# KiCad board HW.ACIM-DBG.kicad_pcb (continued)
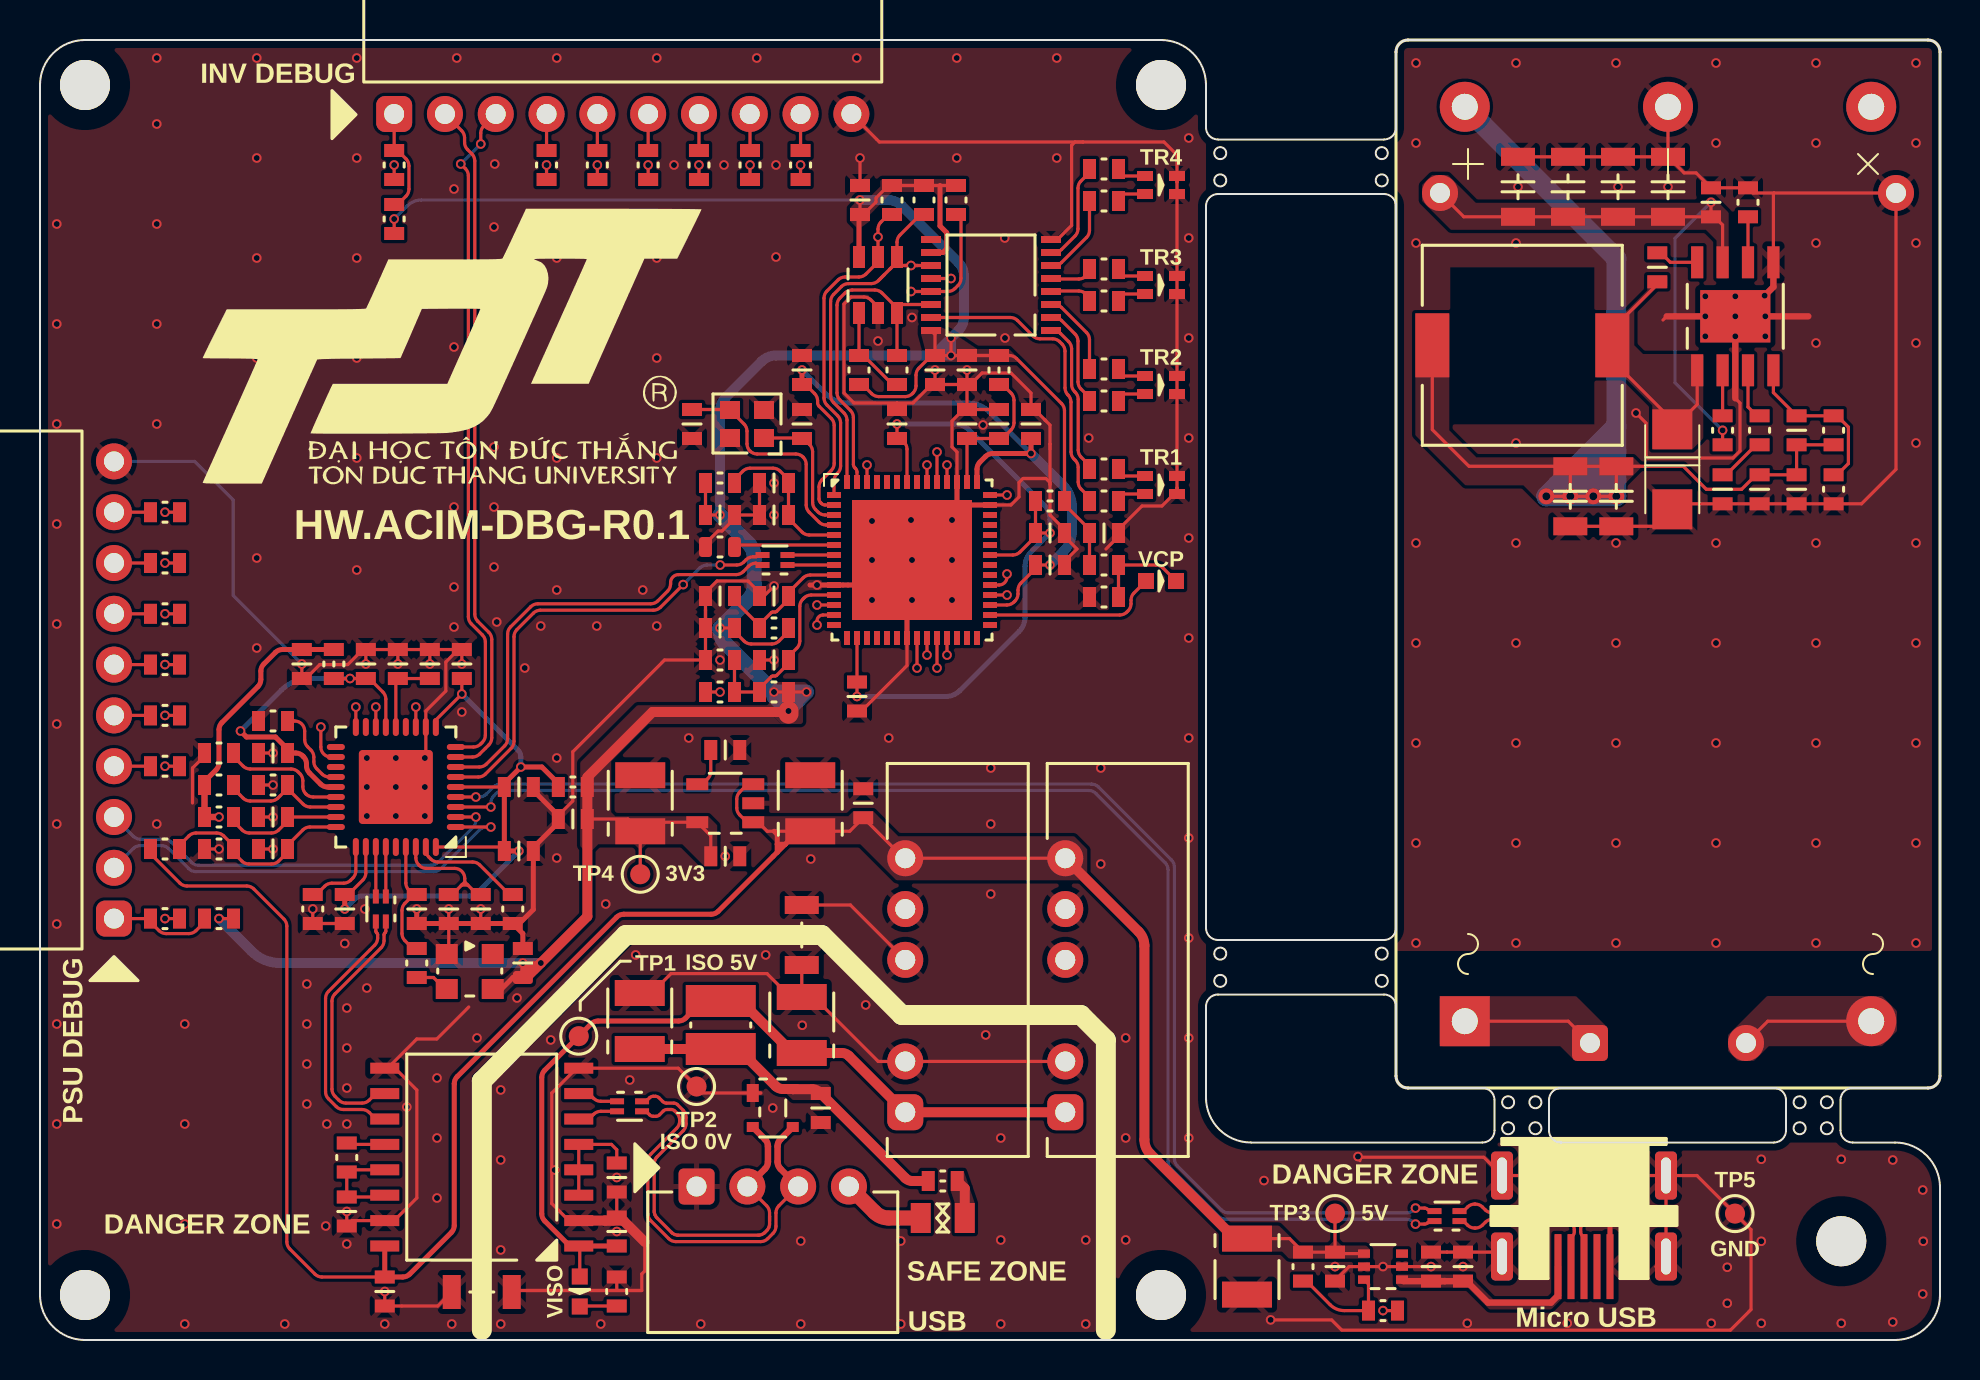
[diagram p0: board, top side]
## Routing (per net, layer and track width the routed paths; a pad name or vN(x,y) marks a point on that pad's centre or on a via; arc(x,y) is an arc through that point) (continued)
Net-(U1-NC/BP): length 2.1
  Top w0.16: C53.2 33.54,28.42 arc(33.5,28.23) 33.39,28.07 33.26,27.93 arc(33.1,27.83) 32.91,27.79 U1.4
Net-(U2-CRFILT): length 4.1
  Top w0.16: U2.14 17.79,32.97 C23.2 C22.2
Net-(U2-HS_IND/CFG_SEL1): length 6.3
  Top w0.16: 12.38,27.57 11.9,27.1 arc(11.73,26.99) 11.54,26.95 10.51,26.95 arc(10.32,26.99) 10.15,27.1 9.68,27.57 R11.1 ; 12.38,27.57 13.15,26.8 arc(13.32,26.69) 13.51,26.65 U2.25 ; 12.38,27.57 R14.2
Net-(U2-PLLFILT): length 6.4
  Top w0.16: 21.39,22.75 21.24,22.9 ; 21.39,22.75 21.86,22.28 C21.2 ; 21.39,22.75 21.09,22.75 21.06,22.72 ; 21.24,22.9 21.24,23.08 arc(21.09,23.43) 20.74,23.58 19.32,23.58 arc(19.13,23.62) 18.97,23.73 18.94,23.75 arc(18.83,23.92) 18.79,24.11 U2.34 ; 21.24,22.9 21.06,22.72 ; 21.06,22.72 20.61,22.28 C20.2 20.26,22.28
Net-(U2-PRTPWR1/BC_EN1): length 23.4
  Top w0.16: R2.1 v1(6.25,21.07) ; U2.12 v1(18.79,31.65)
  In2.Cu w0.16: v1(6.25,21.07) 6.6,21.42 arc(6.71,21.59) 6.75,21.78 6.75,28.53 arc(6.79,28.72) 6.9,28.88 9.04,31.02 arc(9.2,31.13) 9.39,31.17 15.9,31.17 arc(16.18,31.29) 16.3,31.57 16.3,31.75 arc(16.42,32.03) 16.7,32.15 18.08,32.15 arc(18.28,32.11) 18.44,32 v1(18.79,31.65)
Net-(U2-PRTPWR2/BC_EN2): length 79.5
  Top w0.16: U2.16 v1(16.79,31.65) ; R43.1 v1(67.15,1.47)
  In1.Cu w0.16: v1(67.15,1.47) 62.36,1.47 arc(62.17,1.51) 62,1.62 55.5,8.12 arc(55.39,8.29) 55.35,8.48 55.35,23.46 arc(55.31,23.65) 55.2,23.82 52.6,26.42 arc(52.43,26.53) 52.24,26.57 31.11,26.57 arc(30.92,26.53) 30.75,26.42 27.15,22.82 arc(26.98,22.71) 26.79,22.67 21.11,22.67 arc(20.92,22.71) 20.75,22.82 18.7,24.87 arc(18.59,25.04) 18.55,25.23 18.55,29.68 arc(18.51,29.88) 18.4,30.04 v1(16.79,31.65)
Net-(U2-PRTPWR3/BC_EN3): length 21
  Top w0.16: U2.18 v1(15.79,31.65) ; R44.1 v1(34,32.4)
  In2.Cu w0.16: v1(34,32.4) 33.47,32.93 arc(33.31,33.04) 33.12,33.07 16.94,33.07 arc(16.75,33.04) 16.59,32.93 15.94,32.28 arc(15.83,32.12) 15.79,31.93 v1(15.79,31.65)
Net-(U2-PRTPWR4/BC_EN4): length 34.2
  Top w0.16: v1(17.71,58.75) R45.1 17.53,58.02 ; U2.20 14.54,29.15 arc(14.19,29.3) 14.04,29.65 v1(14.04,30.65)
  In1.Cu w0.16: v1(14.04,30.65) 12.1,32.59 arc(12,32.75) 11.96,32.94 11.96,52.79 arc(12,52.98) 12.1,53.15 v1(17.71,58.75)
Net-(U2-RBIAS): length 5.5
  Top w0.16: U2.35 19.29,24.5 arc(19.33,24.31) 19.44,24.15 19.54,24.05 arc(19.7,23.94) 19.89,23.9 21.63,23.9 arc(21.82,23.86) 21.98,23.75 23.46,22.28 R9.1
Net-(U2-SCL/SMBCLK/CFG_SEL0): length 6.4
  Top w0.16: U2.24 13.66,27.15 arc(13.47,27.19) 13.3,27.3 13.29,27.31 arc(13.18,27.47) 13.14,27.66 13.14,27.96 arc(13.1,28.15) 13,28.32 12.91,28.4 arc(12.75,28.51) 12.56,28.55 10.51,28.55 arc(10.32,28.59) 10.15,28.7 9.68,29.17 R13.2
Net-(U2-SDA/SMBDATA/NON_REM1): length 4.3
  Top w0.16: R10.1 12.73,30.95 arc(13.09,30.8) 13.23,30.45 13.23,30.02 arc(13.27,29.82) 13.38,29.66 13.55,29.5 arc(13.65,29.33) 13.69,29.14 13.69,28.91 arc(13.73,28.72) 13.84,28.56 14.1,28.3 arc(14.27,28.19) 14.46,28.15 U2.22
Net-(U2-SUSP_IND/LOCAL_PWR/NON_REM0): length 3.9
  Top w0.16: R12.2 13.82,22.28 14.24,22.69 arc(14.4,22.8) 14.59,22.84 15.18,22.84 arc(15.37,22.88) 15.53,22.99 15.65,23.1 arc(15.75,23.27) 15.79,23.46 U2.28
Net-(U2-USBDM_UP): length 2.5
  Top w0.16: FT2.4 U2.30
Net-(U2-USBDP_UP): length 2.5
  Top w0.16: U2.31 FT2.1
Net-(U2-VBUS_DET): length 10
  Top w0.16: R6.2 6.98,24.74 7.44,25.2 arc(7.6,25.31) 7.79,25.35 8.83,25.35 arc(9.02,25.31) 9.18,25.2 9.68,24.71 R7.1 9.68,24.36 10.09,23.95 arc(10.25,23.84) 10.44,23.8 11.58,23.8 arc(11.77,23.84) 11.93,23.95 12.38,24.39 C14.2 12.38,24.74 13.14,25.5 arc(13.3,25.61) 13.49,25.65 U2.27
Net-(U2-~{RESET}): length 6
  Top w0.16: R5.2 9.68,26.14 arc(9.71,25.95) 9.82,25.79 10.11,25.5 arc(10.27,25.39) 10.46,25.35 11.57,25.35 arc(11.77,25.39) 11.93,25.5 12.38,25.94 C17.2 U2.26
Net-(U3-PDEN): length 5.9
  Top w0.16: 28.65,8.85 C16.2 28.84,9.51 28.57,9.78 U3.5 U3.3 27.39,7.24
Net-(U3-PIN): length 1.9
  Top w0.16: R4.1 15.41,9.78 U3.12
Net-(U3-SPD): length 5.1
  Top w0.16: U3.13 15.45,8.51 R4.2 C13.2 17.15,7.15 U3.14
Net-(U3-UD+): length 2
  Top w0.16: FT3.1 28.04,11.94 arc(27.85,11.97) 27.68,12.08 27.59,12.17 arc(27.43,12.28) 27.24,12.32 U3.7
Net-(U3-UD-): length 2
  Top w0.16: U3.6 27.24,11.05 arc(27.43,11.09) 27.59,11.2 27.68,11.29 arc(27.85,11.4) 28.04,11.44 FT3.4
Net-(U4-CLKO): length 1.9
  Top w0.16: R8.2 19.68,18.12 20.3,17.5 20.44,17.5
Net-(U5-ADBUS0/TXD): length 36.5
  Top w0.16: R17.1 6.23,31.23 ; U5.12 v1(38.85,36.75)
  In2.Cu w0.16: v1(6.25,31.23) 11.62,36.6 arc(11.79,36.71) 11.98,36.75 v1(38.85,36.75)
Net-(U5-ADBUS1/RXD): length 38
  Top w0.16: R18.1 v1(6.25,28.69) ; v1(38.85,35.75) 38.85,35.95 arc(38.94,36.16) 39.15,36.25 U5.13
  In2.Cu w0.16: v1(38.85,35.75) 38.35,36.25 arc(38.18,36.36) 37.99,36.4 14.17,36.4 arc(13.98,36.36) 13.81,36.25 v1(6.25,28.69)
Net-(U5-BDBUS0/TXD): length 45.9
  Top w0.16: R19.1 v1(6.25,36.31) ; U5.22 v1(43.85,33.6)
  In2.Cu w0.16: v1(6.25,36.31) 9.69,39.75 arc(9.86,39.86) 10.05,39.9 38.44,39.9 arc(38.63,39.86) 38.8,39.75 39.55,39 arc(39.66,38.83) 39.7,38.64 39.7,35.56 arc(39.74,35.37) 39.85,35.2 41.3,33.75 arc(41.47,33.64) 41.66,33.6 v1(43.85,33.6)
Net-(U5-BDBUS1/RXD): length 47.6
  Top w0.16: U5.23 v1(44.35,34.25) ; R20.1 v1(6.25,33.77)
  In2.Cu w0.16: v1(6.25,33.77) 11.88,39.4 arc(12.05,39.51) 12.24,39.55 38.29,39.55 arc(38.48,39.51) 38.65,39.4 39.2,38.85 arc(39.31,38.68) 39.35,38.49 39.35,35.45 arc(39.39,35.26) 39.5,35.1 41.17,33.43 arc(41.33,33.32) 41.52,33.28 43.32,33.28 arc(43.41,33.26) 43.49,33.21 43.53,33.17 arc(43.61,33.12) 43.7,33.1 43.82,33.1 arc(44.01,33.14) 44.18,33.25 44.2,33.27 arc(44.31,33.44) 44.35,33.63 v1(44.35,34.25)
Net-(U5-BDBUS2/~{RTS}): length 48.9
  Top w0.16: R21.1 v1(6.25,41.39) ; U5.24 v1(44.85,33.6)
  In2.Cu w0.16: v1(44.85,33.6) 45.28,33.6 arc(45.47,33.64) 45.63,33.75 45.68,33.8 arc(45.79,33.96) 45.83,34.15 45.83,34.35 arc(45.79,34.54) 45.68,34.7 45.48,34.9 arc(45.32,35.01) 45.13,35.05 44.2,35.05 arc(44.01,35.01) 43.85,34.9 43.33,34.39 arc(43.17,34.28) 42.98,34.24 41.92,34.24 arc(41.73,34.28) 41.57,34.39 40.49,35.47 arc(40.38,35.63) 40.34,35.82 40.34,39 arc(40.3,39.19) 40.19,39.36 39.1,40.45 arc(38.93,40.56) 38.74,40.6 7.25,40.6 arc(7.06,40.64) 6.89,40.75 v1(6.25,41.39)
Net-(U5-BDBUS3/~{CTS}): length 46.3
  Top w0.16: R22.1 v1(6.25,38.85) ; U5.25 v1(45.35,34.25)
  In2.Cu w0.16: v1(6.25,38.85) 7.5,40.1 arc(7.67,40.21) 7.86,40.25 38.59,40.25 arc(38.78,40.21) 38.95,40.1 39.87,39.18 arc(39.98,39.01) 40.02,38.82 40.02,35.69 arc(40.06,35.5) 40.17,35.34 41.44,34.07 arc(41.6,33.96) 41.79,33.92 43.11,33.92 arc(43.3,33.96) 43.47,34.07 43.98,34.58 arc(44.15,34.69) 44.34,34.73 44.66,34.73 arc(44.85,34.69) 45.02,34.58 v1(45.35,34.25)
Net-(U5-CDBUS0/TXD): length 34.1
  Top w0.16: U5.32 v1(48.35,37.25) ; R23.2 v1(27.87,58.75)
  In2.Cu w0.16: v1(48.35,37.25) 48.02,37.58 arc(47.91,37.75) 47.87,37.94 47.87,38.58 arc(47.89,38.67) 47.94,38.76 47.96,38.77 arc(48.01,38.85) 48.03,38.95 48.03,41.21 arc(47.99,41.4) 47.88,41.56 46.99,42.45 arc(46.83,42.56) 46.64,42.6 44.11,42.6 arc(43.92,42.64) 43.75,42.75 41.83,44.67 arc(41.72,44.84) 41.68,45.03 41.68,46.11 arc(41.64,46.3) 41.53,46.46 29.39,58.6 arc(29.23,58.71) 29.04,58.75 v1(27.87,58.75)
Net-(U5-CDBUS1/RXD): length 36.5
  Top w0.16: R24.2 v1(25.33,58.75) ; v1(48.35,38.3) 48.35,38.15 arc(48.23,37.87) 47.95,37.75 U5.33
  In2.Cu w0.16: v1(48.35,38.3) 48.35,41.34 arc(48.31,41.53) 48.2,41.7 47.12,42.78 arc(46.95,42.89) 46.76,42.93 44.25,42.93 arc(44.05,42.97) 43.89,43.08 42.15,44.82 arc(42.04,44.98) 42,45.18 42,46.24 arc(41.96,46.43) 41.85,46.59 29.34,59.1 arc(29.18,59.21) 28.99,59.25 26.03,59.25 arc(25.84,59.21) 25.68,59.1 v1(25.33,58.75)
Net-(U5-DDBUS0/TXD): length 26.2
  Top w0.16: R25.2 v1(32.95,58.75) ; U5.42 v1(48.35,42.25)
  In2.Cu w0.16: v1(32.95,58.75) 32.95,56.16 arc(32.99,55.97) 33.09,55.8 42.2,46.69 arc(42.31,46.53) 42.35,46.34 42.35,45.28 arc(42.39,45.09) 42.5,44.92 44.02,43.4 arc(44.19,43.29) 44.38,43.25 47.14,43.25 arc(47.33,43.21) 47.5,43.1 v1(48.35,42.25)
Net-(U5-DDBUS1/RXD): length 28.6
  Top w0.16: U5.46 v1(45.35,43.75) ; R26.2 v1(30.41,58.75)
  In2.Cu w0.16: v1(45.35,43.75) 45.35,44.7 arc(45.31,44.89) 45.2,45.05 39.2,51.06 arc(39.09,51.22) 39.05,51.41 39.05,58.85 arc(39.01,59.04) 38.9,59.2 38.65,59.45 arc(38.49,59.56) 38.3,59.6 31.46,59.6 arc(31.27,59.56) 31.11,59.45 v1(30.41,58.75)
Net-(U5-DDBUS2/~{RTS}): length 19.4
  Top w0.16: U5.47 v1(44.85,44.4) ; R27.2 v1(38.03,58.75)
  In2.Cu w0.16: v1(44.85,44.4) 44.85,44.75 arc(44.81,44.94) 44.7,45.1 38.17,51.63 arc(38.07,51.79) 38.03,51.98 v1(38.03,58.75)
Net-(U5-DDBUS3/~{CTS}): length 20.2
  Top w0.16: R28.2 v1(35.5,58.75) ; U5.48 v1(44.35,43.75)
  In2.Cu w0.16: v1(44.35,43.75) 44.35,44.79 arc(44.31,44.98) 44.2,45.15 35.65,53.7 arc(35.54,53.87) 35.5,54.06 v1(35.5,58.75)
Net-(U5-DM): length 2.4
  Top w0.16: U5.7 37.33,39.25
Net-(U5-DP): length 2.4
  Top w0.16: U5.8 37.33,38.75
Net-(U5-REF): length 5
  Top w0.16: U5.6 34.83,39.75 R29.1
Net-(U5-VPHY): length 7.8
  Top w0.16: FT7.2 34.72,43.02 35.14,43.44 arc(35.31,43.55) 35.5,43.59 36.65,43.59 arc(36.84,43.55) 37.01,43.44 37.43,43.02 C39.2 C40.2 37.43,41.08 38.1,40.4 arc(38.27,40.29) 38.46,40.25 U5.5
Net-(U5-VPLL): length 7.2
  Top w0.16: U5.9 38.51,38.25 arc(38.32,38.21) 38.15,38.1 37.43,37.38 C43.2 37.43,37.07 arc(37.42,37.03) 37.4,37 36.83,36.43 arc(36.8,36.41) 36.76,36.4 36.64,36.4 arc(36.6,36.39) 36.57,36.37 36,35.8 arc(35.98,35.77) 35.97,35.73 FT8.2 35.97,35.72 34.72,36.98 C42.2
Net-(U5-VREGIN): length 7.3
  Top w0.16: FT9.2 48.12,47.77 48.55,47.35 arc(48.66,47.18) 48.7,46.99 48.7,45.86 arc(48.66,45.67) 48.55,45.5 48.12,45.08 C45.2 C46.2 U5.44
Net-(U5-VREGOUT): length 37.5
  Top w0.16: v1(50.5,38.75) C37.2 49.78,38.58 49.05,37.85 arc(48.94,37.68) 48.9,37.49 48.9,37.31 arc(48.86,37.12) 48.75,36.95 48.7,36.9 arc(48.53,36.79) 48.34,36.75 U5.31 ; C35.2 v1(38.1,48.5) ; U5.2 39.25,41.75 arc(39.16,41.77) 39.08,41.82 39.02,41.88 arc(38.97,41.96) 38.95,42.05 38.95,42.66 arc(38.99,42.85) 39.1,43.01 39.56,43.48 arc(39.67,43.64) 39.71,43.83 39.71,45.73 arc(39.67,45.92) 39.56,46.08 38.95,46.69 arc(38.9,46.77) 38.88,46.87 38.88,46.96 arc(38.84,47.15) 38.73,47.32 38.25,47.8 arc(38.14,47.97) 38.1,48.16
  Top w0.25: v1(38.1,48.5) 38.1,48.16 ; U5.43 46.85,43.54 arc(46.89,43.73) 47,43.9 47.28,44.18 arc(47.44,44.29) 47.63,44.33 v1(49.55,44.33) C36.2
  Bottom w0.25: v1(38.1,48.5) 39.31,47.29 arc(39.8,46.96) 40.37,46.85 46.4,46.85 arc(46.98,46.74) 47.46,46.41 v1(49.55,44.33)
  Bottom w0.5: v1(50.5,38.75) 51.16,39.41 arc(51.49,39.9) 51.6,40.47 51.6,41.65 arc(51.49,42.23) 51.16,42.71 v1(49.55,44.33)
Net-(U5-~{SUSPEND}): length 8.8
  Top w0.16: U5.30 53.99,36.25 arc(54.18,36.29) 54.34,36.4 54.4,36.46 arc(54.51,36.62) 54.55,36.81 54.55,36.99 arc(54.59,37.18) 54.7,37.35 D7.A
Net-(U6-DO): length 4.6
  Top w0.16: U6.1 R31.1 41.18,49.23 42.62,47.77 R32.2
Net-(U7-Q0): length 15.3
  Top w0.16: U7.15 48.52,51.12 arc(48.71,51.09) 48.87,50.98 49.64,50.21 arc(49.81,50.1) 50,50.06 50.63,50.06 arc(50.82,50.02) 50.98,49.91 51.1,49.79 arc(51.21,49.63) 51.25,49.44 51.25,47.61 arc(51.29,47.42) 51.4,47.25 51.4,47.25 arc(51.51,47.08) 51.55,46.89 51.55,44.4 arc(51.59,44.21) 51.7,44.05 51.76,43.98 arc(51.87,43.82) 51.91,43.63 51.91,42.9 arc(51.95,42.71) 52.06,42.54 52.47,42.12 R41.1
Net-(U7-Q1): length 7.8
  Top w0.16: R42.1 52.47,43.73 52.06,44.14 arc(51.95,44.31) 51.91,44.5 51.91,47.03 arc(51.87,47.22) 51.76,47.38 51.73,47.42 arc(51.62,47.58) 51.58,47.77 51.58,49.56 arc(51.54,49.75) 51.43,49.92 51.02,50.33 arc(50.86,50.44) 50.67,50.48 U7.1
Net-(U7-Q2): length 5.1
  Top w0.16: R39.1 52.47,47.12 52.05,47.55 arc(51.94,47.72) 51.9,47.91 51.9,49.94 arc(51.86,50.13) 51.75,50.3 51.07,50.98 arc(50.91,51.09) 50.72,51.12 U7.2
Net-(U7-Q3): length 4.2
  Top w0.16: U7.3 50.72,51.77 arc(50.91,51.74) 51.07,51.63 52.33,50.37 arc(52.44,50.21) 52.47,50.02 R40.1
Net-(U7-Q4): length 2.2
  Top w0.16: R37.1 52.47,52.12 52.3,52.3 arc(52.13,52.41) 51.94,52.45 50.58,52.45 U7.4
Net-(U7-Q5): length 2.2
  Top w0.16: R38.1 52.47,53.38 52.3,53.2 arc(52.13,53.09) 51.94,53.05 50.58,53.05 U7.5
Net-(U7-Q6): length 4.2
  Top w0.16: R35.1 52.47,55.48 arc(52.44,55.29) 52.33,55.13 51.07,53.87 arc(50.91,53.76) 50.72,53.73 U7.6
Net-(U7-Q7): length 5.1
  Top w0.16: R36.1 52.47,58.38 52.05,57.95 arc(51.94,57.78) 51.9,57.59 51.9,55.56 arc(51.86,55.37) 51.75,55.2 51.07,54.52 arc(50.91,54.41) 50.72,54.38 U7.7
Net-(U10-BST): length 2.7
  Top w0.16: C60.1 81.04,54.36 81.52,53.88 U10.8 82.86,53.33
Net-(U10-COMP): length 2.6
  Top w0.16: R52.2 85.84,46.21 85.4,46.65 U10.3
Net-(U10-EN): length 2.3
  Top w0.16: U10.2 R50.1
Net-(U10-FB): length 8.4
  Top w0.16: R53.2 89.85,43.26 90.42,43.82 90.42,45.64 89.86,46.21 R54.1 C61.1 86.67,47.37 U10.4
Net-(U10-FREQ): length 2.3
  Top w0.16: U10.6 R51.2
Net-(U10-SW): length 13
  Top w0.16: U10.1 82.86,46.78 D8.K 81.62,45.98 78.62,48.98 L2.1 78.62,50.53 80.87,52.78 C60.2

## Copper pours and planes (outline as drawn; the poured copper is in the pictures)
+3V3 on Top: 33.86,23.69 33.86,25.74 33.41,26.19 28.76,26.19 28.56,26.39 28.56,28.94 30.43,30.8 37.05,30.8 37.16,30.91 37.16,31.54 36.96,31.74 29.86,31.74 27.01,28.89 27.01,24.69 27.31,24.39 27.51,24.39 27.91,24.79 29.71,24.79 29.96,24.54 30.06,24.54 30.31,24.79 32.11,24.79 33.21,23.69
+3V3 on Top: 38.25,32.9 38.6,32.55 38.6,32.25 38.15,31.8 38.15,30.8 37.05,30.8 36.3,31.55 36.3,32.4 36.8,32.9
+3V3 on Top: 49.1,48.9 48.45,49.55 46.85,49.55 45.65,50.35 45.05,50.65 44.05,50.65 44.05,50.3 44.25,49.55 44.25,48.9
+3V3 on Top: 40.5,56.6 40.5,55.95 40.92,55.53 41.5,55.95 41.5,56.27 42.6,57.4 44.7,57.4 44.92,57.18 45.07,57.18 45.3,57.4 46.3,57.4 46.3,58.05 42.1,58.05 42.02,57.98 42.02,57.68 41.57,57.23 40.87,57.23 40.72,57.08 40.72,56.83
+3V3 on Top: 25.09,19.1 25.19,19.05 25.29,18.95 25.29,18.75 24.64,18.1 24.64,17.8 23.74,17.8 23.19,17.25 23.19,17.05 22.09,17.05 22.09,18.05 23.19,18.05 23.64,18.45 23.89,18.8 23.89,18.95 24.04,19.1
+5V on Top: 66.5,4.53 66.31,4.72 65.08,4.72 64.81,4.99 64.72,4.99 64.45,4.72 62.95,4.72 61.95,5.72 59.1,5.72 59.1,4.42 62.1,4.42 62.45,4.07 66.46,4.07 66.5,4.11
+5V on Top: 35.11,26.19 40.41,26.19 40.66,26.44 41.66,26.44 42.91,25.19 51.71,25.19 52.36,24.54 52.36,22.99 42.81,22.99 41.01,24.79 36.86,24.79 36.06,25.59 35.11,25.59
GND on Top, Bottom, In1.Cu, In2.Cu: 95,9.88 60.55,9.88 58.3,12.12 58.3,65 0,65 0,0 95,0
GND_ISO on Top, Bottom, In1.Cu, In2.Cu: 22.59,0 52.79,0 52.79,14.8 51.84,15.75 42.89,15.75 38.89,19.75 29.59,19.75 22.59,12.75
PGND on Top, Bottom, In1.Cu, In2.Cu: 95,19.45 95,65 67.8,65 67.8,19.45
Net-(D1-CH3) on Top: 37.34,12.8 39.39,12.8 39.54,12.65 39.54,12 37.64,12 37.34,12.3
Net-(F1-Pad2) on Top: 45.54,7.45 45.74,6.85 45.74,5.35 46.74,5.35 46.74,6.85 46.19,8.45 45.54,8.45
Net-(J2-VCC) on Top: 67.8,3.23 67.8,2.81 67.99,2.62 71.38,2.62 72.47,1.53 75.56,1.53 76.08,2.04 76.08,5.29 75.73,5.29 75.73,2.29 75.46,2.03 72.67,2.03 71.65,3.05 71.65,3.27 67.84,3.27
Net-(MD3-ACL) on Top, Bottom, In1.Cu, In2.Cu: 85.7,13.95 86.44,14.69 92.09,14.69 92.85,15.45 92.85,16.45 92.1,17.2 86.35,17.2 84.4,15.25 84.4,14.45 84.9,13.95
Net-(MD3-ACN) on Top, Bottom, In1.Cu, In2.Cu: 69.99,14.69 76.01,14.69 76.75,13.95 78.25,13.95 78.4,14.1 78.4,15.6 76.81,17.19 69.99,17.19
Net-(MD3-DC+) on Top: 69.1,56.95 70.54,55.51 83.29,55.51 83.83,54.98 83.83,53.08 84.44,53.08 84.44,56.37 83.65,57.15 83.45,57.15 83.16,56.86 71.79,56.86 70.4,58.25 69.6,58.25 69.1,57.75
Net-(MD4-DC+) on Top: 68.76,51.33 70.46,51.33 70.46,45.48 71.81,44.13 79.66,44.13 80.06,43.74 80.06,43.63 79.21,42.78 79.21,41.98 79.01,41.78 75.11,41.78 74.16,42.73 71.26,42.73 68.76,45.23
Net-(U10-SW) on Top: 83.16,49.28 83.16,45.09 82.62,44.53 80.62,44.53 80.62,46.73 79.22,48.13 77.77,48.13 77.77,51.33 79.21,51.33 80.37,52.48 80.37,53.23 81.37,53.23 81.37,52.59 80.82,52.59 79.72,51.48 79.72,49.73 80.15,49.3 83.15,49.3

## Text on the board
F.Silkscreen: DANGER ZONE | SAFE ZONE | HW.ACIM-DBG-R0.1
